# Altium PCB Pi4GPU_v2.PcbDoc (part 2 of 4) (continued)
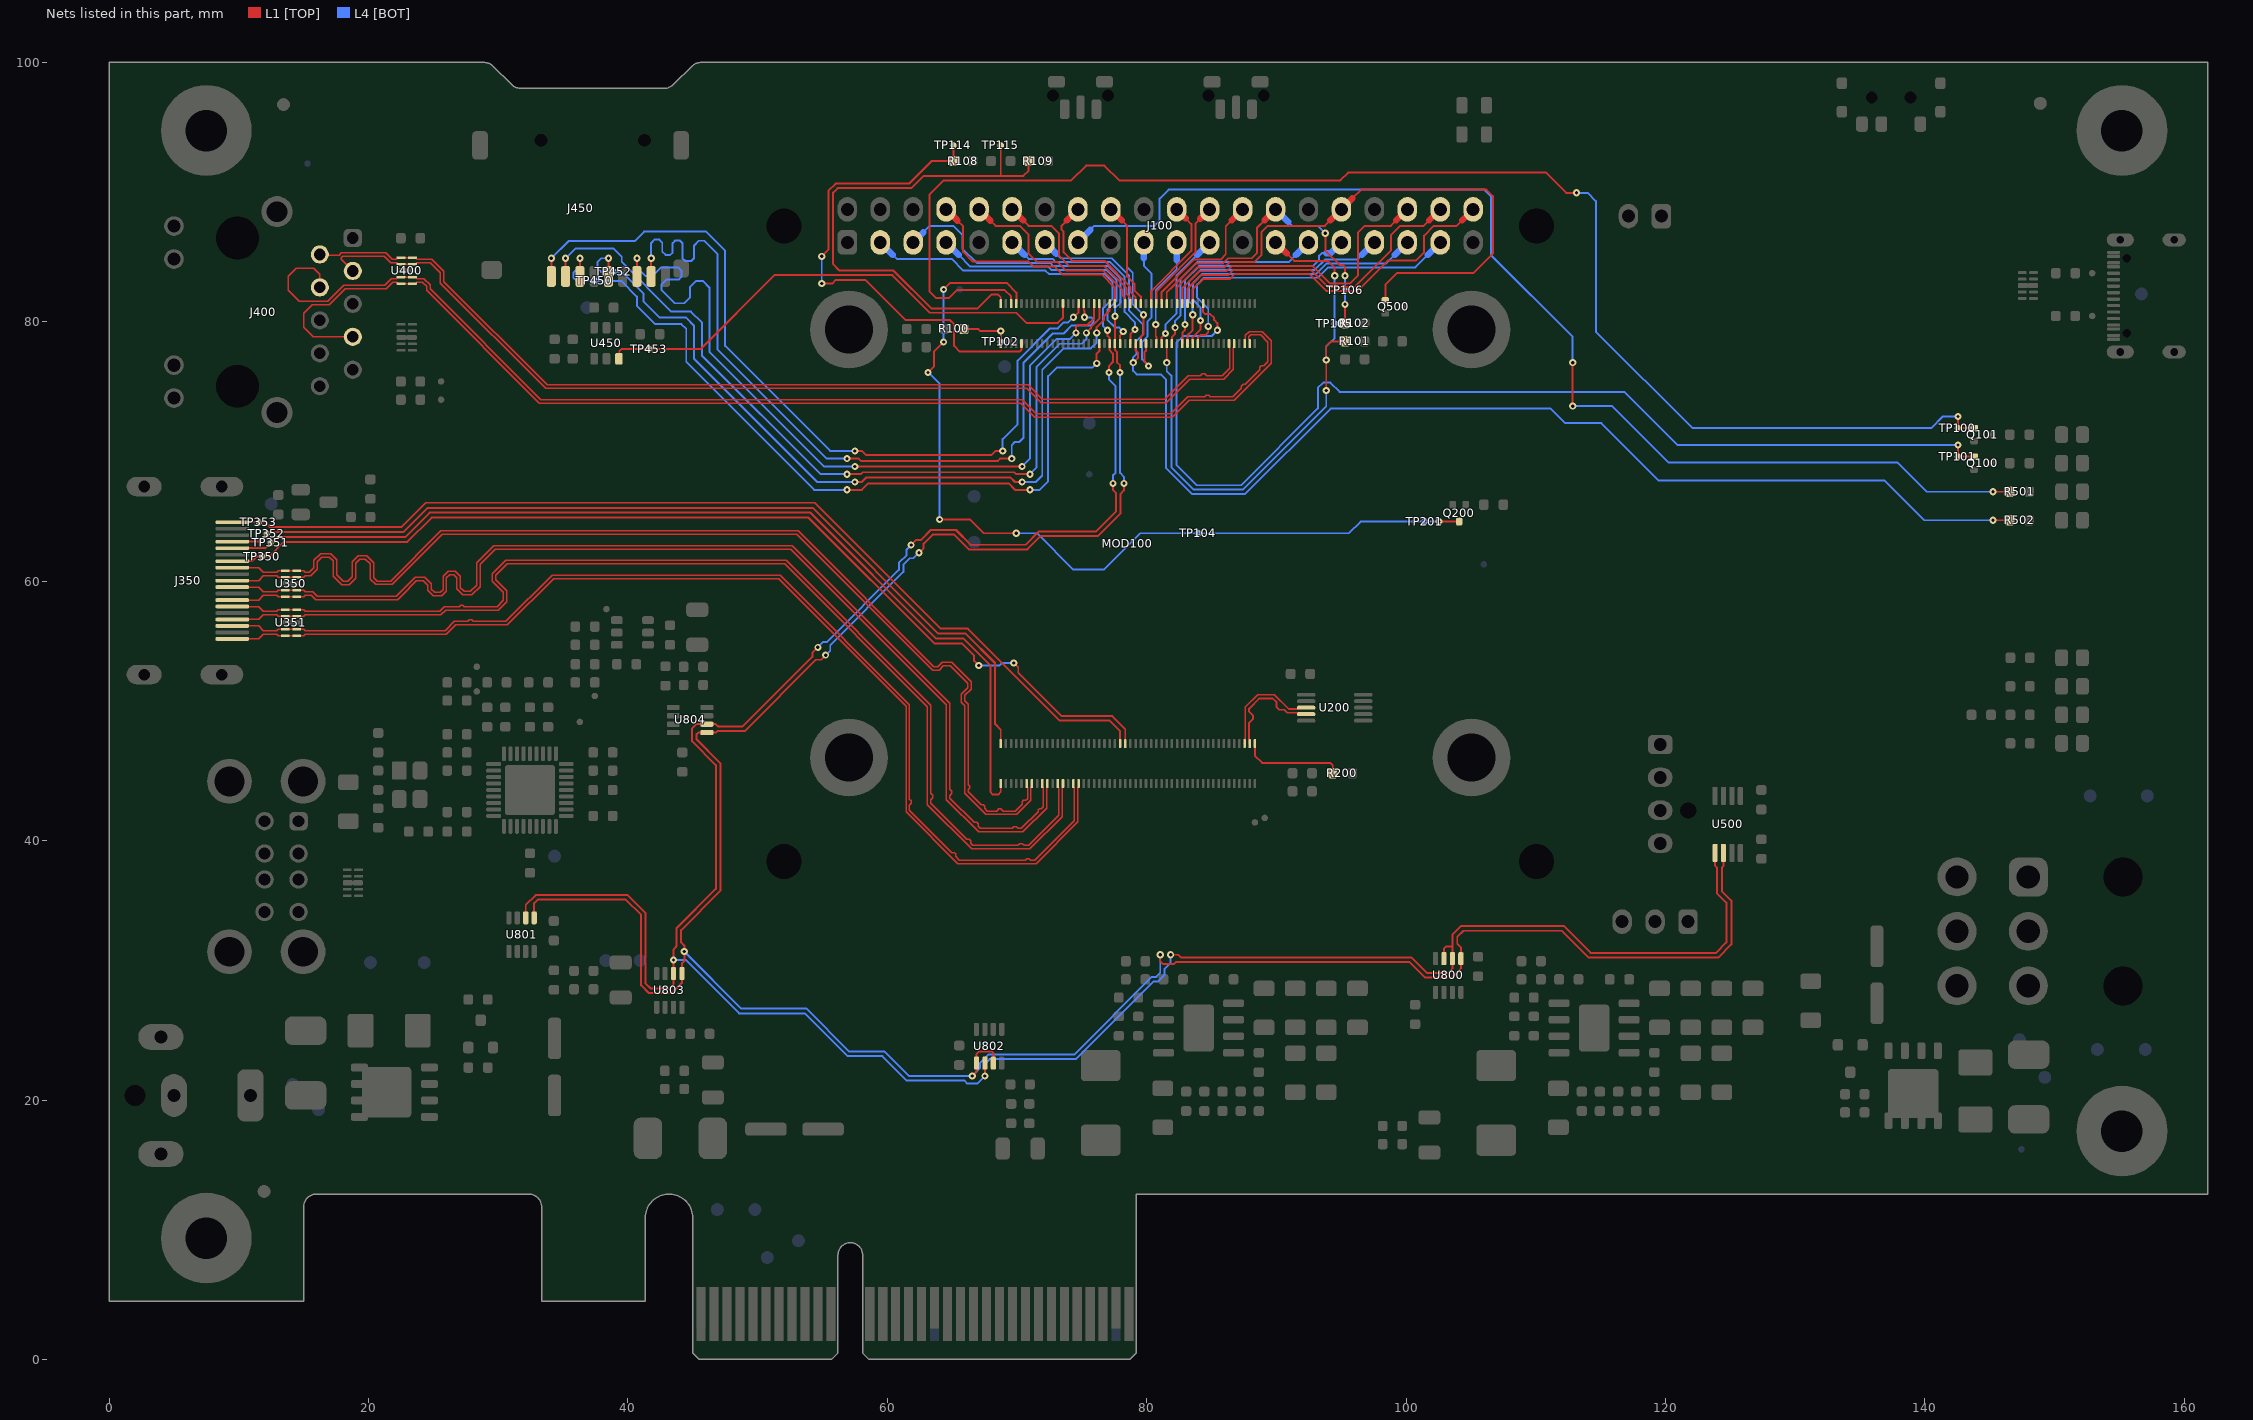
[diagram p4: the nets of this part, all layers, seen from the top]
## Nets (pads, with @x,y where several pads share a name; then routed paths per layer and width w, separated by ;. In a path a pad name is that pad's centre, name@x,y a point inside that pad or via, vN(x,y) a via of type N, cw(c..) or ccw(c..) an arc to the next point about the centre after c; other vN are vias at no path point)
BOOT_MODE: MOD100.93 Q200.3 TP104.1 TP201.1 | length 68.8
  L1 [TOP] w0.15: v1(63.15,76.1) 63.6,76.55 63.6,77.7 v1(64.35,78.45) ; v1(64.041,64.75) 66.4,64.75 67.45,63.7 v1(69.95,63.7) ; v1(64.35,82.5) 64.85,83 69.196,83 69.95,82.246 MOD100.93@69.95,81.4 ; v1(102.55,64.6) Q200.3@104.1,64.6
  L4 [BOT] w0.15: v1(63.15,76.1) 64.041,75.209 v1(64.041,64.75) ; v1(64.35,78.45) v1(64.35,82.5) ; v1(69.95,63.7) 71.55,63.7 74.35,60.9 76.7,60.9 79.5,63.7 TP104.1@83.975,63.7 95.6,63.7 96.5,64.6 TP201.1@101.45,64.6 v1(102.55,64.6)
CM_GBL_EN: MOD100.99 R109.2 TP115.1 | length 39.8
  L1 [TOP] w0.15: MOD100.99@68.75,81.4 68.75,81.9 68.55,82.1 68.032,82.1 66.961,81.03 63.403,81.03 60.475,83.958 56.315,83.958 55.818,84.456 55.818,89.963 56.167,90.312 61.86,90.312 62.798,91.25 68.75,91.25 ; TP115.1@68.75,93.6 68.75,91.25 ; R109.2@70.9,92.4 70.9,91.65 70.5,91.25 68.75,91.25
CM_GPIO2: J100.3 MOD100.58 U500.1 U800.6 U800.7 U801.6 U802.6 U803.6 U804.6 | length 225.3
  L1 [TOP] w0.15: U801.6@32.125,34.05 32.125,35.039 32.886,35.8 39.981,35.8 41.364,34.418 41.364,28.981 41.745,28.6 43.255,28.6 43.525,28.87 U803.6@43.525,29.75 v1(43.525,30.8) 43.525,31.625 43.75,31.85 43.75,33.25 46.783,36.283 46.783,45.817 44.95,47.65 44.95,48.65 45.275,48.975 U804.6@46.1,48.975 46.775,48.975 46.95,48.8 48.857,48.8 54.222,54.165 54.222,54.474 v1(54.649,54.901) ; v1(61.843,62.8) 62.232,63.188 62.607,63.188 63.368,63.95 65.3,63.95 66.439,62.811 70.661,62.811 71.7,63.85 76.105,63.85 77.65,65.395 77.65,66.8 77.402,67.048 v1(77.402,67.548) ; v1(67.525,21.85) U802.6@67.525,22.85 ; v1(76.975,79.35) 76.975,78.939 77.15,78.764 MOD100.58@77.15,78.32 77.15,77.808 77.402,77.556 77.402,76.902 77.1,76.6 v1(77.1,76.1) ; v1(81.85,31.2) 82.45,31.2 82.646,31.004 100.396,31.004 101.6,29.8 103.25,29.8 103.575,30.125 U800.6@103.575,30.9 103.575,31.85 ; U800.7@102.925,30.9 102.925,31.675 103.1,31.85 103.575,31.85 ; U500.1@123.825,39.05 123.825,38.075 123.975,37.925 123.975,35.945 124.706,35.214 124.706,32.156 123.9,31.35 114.23,31.35 112.155,33.425 104.275,33.425 103.575,32.725 103.575,31.85
  L4 [BOT] w0.15: v1(43.525,30.8) 44.448,30.8 48.572,26.677 53.655,26.677 56.952,23.379 59.621,23.379 61.51,21.49 65.96,21.49 66.181,21.269 66.944,21.269 v1(67.525,21.85) 67.525,22.775 67.9,23.15 74.545,23.15 80.517,29.122 80.868,29.122 81.385,29.64 81.385,30.111 81.85,30.575 v1(81.85,31.2) ; v1(54.649,54.901) 55.076,55.328 55.356,55.328 60.9,60.872 60.9,61.429 61.489,62.019 61.489,62.446 v1(61.843,62.8) ; 60.428,85.157 60.735,84.85 64.975,84.85 65.875,83.95 72.2,83.95 72.45,83.7 76.75,83.7 77.38,83.07 77.38,81.78 76.65,81.05 76.65,79.675 v1(76.975,79.35) ; v1(77.1,76.1) 77.1,75.55 77.6,75.05 77.6,68.35 77.402,68.152 v1(77.402,67.548)
  L4 [BOT] w0.5: J100.3@59.46,86.125 60.428,85.157
CM_GPIO3: J100.5 MOD100.56 U500.2 U800.5 U801.5 U802.5 U802.7 U803.5 U804.5 | length 226.3
  L1 [TOP] w0.15: U801.5@32.775,34.05 32.775,35.175 33.05,35.45 39.836,35.45 41.014,34.273 41.014,28.836 41.6,28.25 43.4,28.25 44.175,29.025 U803.5@44.175,29.75 44.175,30.532 44.35,30.707 v1(44.35,31.45) 44.35,31.905 44.104,32.152 44.104,33.104 47.136,36.136 47.136,45.964 45.304,47.796 45.304,48.204 45.425,48.325 U804.5@46.1,48.325 46.775,48.325 46.896,48.446 49.003,48.446 54.503,53.946 54.896,53.946 v1(55.25,54.3) ; v1(62.444,62.199) 62.797,62.552 62.797,62.903 63.495,63.6 65.155,63.6 66.294,62.461 70.806,62.461 71.845,63.5 76.25,63.5 78,65.25 78,66.746 78.252,66.998 v1(78.252,67.548) ; v1(66.55,21.85) 66.875,22.175 U802.5@66.875,22.85 66.875,23.525 67.1,23.75 68.05,23.75 68.175,23.625 U802.7@68.175,22.85 ; v1(77.55,80.425) MOD100.56@77.55,78.32 77.55,77.85 77.711,77.689 77.711,76.889 77.95,76.65 v1(77.95,76.1) ; v1(81.05,31.2) 81.05,30.7 81.25,30.5 82.124,30.5 82.274,30.65 100.256,30.65 101.455,29.451 103.547,29.451 104.225,30.129 U800.5@104.225,30.9 104.225,31.775 103.95,32.05 103.95,32.57 104.43,33.05 112,33.05 114.075,30.975 124.055,30.975 125.081,32.001 125.081,35.369 124.35,36.1 124.35,37.9 124.475,38.025 U500.2@124.475,39.05
  L4 [BOT] w0.15: v1(44.35,31.45) 48.761,27.039 53.785,27.039 57.086,23.738 59.804,23.738 61.697,21.845 65.986,21.845 65.991,21.85 v1(66.55,21.85) 67.15,22.45 67.15,22.85 67.8,23.5 74.4,23.5 80.4,29.5 80.75,29.5 81.05,29.8 v1(81.05,31.2) ; v1(55.25,54.3) 55.604,54.654 55.604,55.081 61.25,60.727 61.25,61.284 61.737,61.771 62.017,61.771 v1(62.444,62.199) ; 62.787,86.912 63.275,87.4 65.1,87.4 65.8,86.7 65.8,85.65 66.9,84.55 72.55,84.55 72.8,84.3 77.024,84.3 77.986,83.338 77.986,81.486 77.55,81.05 v1(77.55,80.425) ; v1(77.95,76.1) 77.95,68.35 78.252,68.048 v1(78.252,67.548)
  L4 [BOT] w0.5: J100.5@62,86.125 62.787,86.912
CM_GPIO4: J100.7 MOD100.54 | length 20.3
  L1 [TOP] w0.15: MOD100.54@77.95,78.32 77.95,78.962 78.2,79.212 v1(78.2,79.25)
  L4 [BOT] w0.15: 65.508,85.157 66.415,84.25 72.4,84.25 72.65,84 76.9,84 77.681,83.219 77.681,81.631 76.975,80.925 76.975,80.175 77.598,79.552 77.898,79.552 v1(78.2,79.25)
  L4 [BOT] w0.5: J100.7@64.54,86.125 65.508,85.157
CM_GPIO5: J100.29 MOD100.34 | length 16.3
  L1 [TOP] w0.15: MOD100.34@81.95,78.32 81.95,78.816 82.2,79.066 v1(82.2,79.55)
  L4 [BOT] w0.15: v1(82.2,79.55) 82.2,80.082 82.6,80.482 82.6,83.3 83.9,84.6 90.955,84.6 91.512,85.157
  L4 [BOT] w0.5: 91.512,85.157 J100.29@92.48,86.125
CM_GPIO6: J100.31 MOD100.30 | length 18.4
  L1 [TOP] w0.15: MOD100.30@82.75,78.32 82.75,79.15 82.95,79.35 v1(82.95,79.8)
  L4 [BOT] w0.15: v1(82.95,79.8) 82.95,83.2 84.05,84.3 92.8,84.3 93.3,84.8 93.3,85.1 93.5,85.3 93.85,85.3
  L4 [BOT] w0.5: 93.85,85.3 94.195,85.3 J100.31@95.02,86.125
CM_GPIO7: J100.26 MOD100.37 | length 11.1
  L1 [TOP] w0.15: MOD100.37@81.15,81.4 81.15,82.3 83.65,84.8 85.7,84.8 86.1,85.2 86.1,87.375 86.552,87.827
  L1 [TOP] w0.5: 86.552,87.827 J100.26@87.4,88.675
CM_GPIO8: J100.24 MOD100.39 | length 9
  L1 [TOP] w0.15: MOD100.39@80.75,81.4 80.75,82.337 81.313,82.9 83.765,85.352 83.765,87.58 84.117,87.932
  L1 [TOP] w0.5: 84.117,87.932 J100.24@84.86,88.675
CM_GPIO9: J100.21 MOD100.40 | length 8.5
  L1 [TOP] w0.15: v1(80.7,79.8) 80.7,78.9 80.75,78.85 MOD100.40@80.75,78.32
  L4 [BOT] w0.15: v1(80.7,79.8) 80.7,82.419 82.32,84.039 82.32,84.757
  L4 [BOT] w0.5: 82.32,84.757 J100.21@82.32,86.125
CM_GPIO10: J100.19 MOD100.44 | length 12.2
  L1 [TOP] w0.15: MOD100.44@79.95,78.32 79.95,77.761 79.83,77.64 79.83,76.92 v1(80.15,76.6)
  L4 [BOT] w0.15: 79.78,84.9 79.78,84.32 80.378,83.722 80.378,80.336 80.076,80.034 80.076,78.876 79.65,78.45 79.65,77.1 v1(80.15,76.6)
  L4 [BOT] w0.5: 79.78,84.9 J100.19@79.78,86.125
CM_GPIO11: J100.23 MOD100.38 | length 9.3
  L1 [TOP] w0.15: MOD100.38@81.15,78.32 81.15,78.805 v1(81.451,79.106)
  L4 [BOT] w0.15: v1(81.451,79.106) 81.451,79.549 81.45,79.55 81.45,79.789 82.3,80.639 82.3,83.565 83.892,85.157
  L4 [BOT] w0.5: 83.892,85.157 J100.23@84.86,86.125
CM_GPIO12: J100.32 MOD100.31 Q500.1 | length 44.9
  L1 [TOP] w0.15: MOD100.31@82.35,81.4 82.35,82.65 83.9,84.2 86,84.2 86.4,84.6 88.3,84.6 88.85,85.15 88.85,86.9 89.35,87.4 93.745,87.4 94.172,87.827 ; 95.868,89.523 96.545,90.2 106.2,90.2 106.7,89.7 106.7,85.25 105.2,83.75 99.3,83.75 98.4,82.85 Q500.1@98.4,81.65
  L1 [TOP] w0.5: 94.172,87.827 J100.32@95.02,88.675 95.868,89.523
CM_GPIO13: J100.33 MOD100.28 | length 20.6
  L1 [TOP] w0.15: MOD100.28@83.15,78.32 83.15,78.95 83.55,79.35 v1(83.55,80.55)
  L4 [BOT] w0.15: v1(83.55,80.55) 83.55,81.3 83.265,81.585 83.265,83.09 84.174,84 92.951,84 93.751,84.8 96.235,84.8 96.592,85.157
  L4 [BOT] w0.5: 96.592,85.157 J100.33@97.56,86.125
CM_GPIO14: J100.8 MOD100.55 | length 35.8
  L1 [TOP] w0.15: 65.85,85.4 65.85,87.365 ; 65.85,85.4 66.6,84.65 ; 65.85,85.4 65.85,87.365 ; 65.85,85.4 66.6,84.65 ; 65.85,87.365 65.407,87.808 65.85,87.365 ; 66.6,84.65 70.9,84.65 ; 66.6,84.65 70.9,84.65 ; 70.9,84.65 71.3,84.25 ; 70.9,84.65 71.3,84.25 ; 71.3,84.25 72.9,84.25 ; 71.3,84.25 72.9,84.25 ; 72.9,84.25 73.5,83.65 ; 72.9,84.25 73.5,83.65 ; 73.5,83.65 76.527,83.65 ; 73.5,83.65 76.527,83.65 ; 76.527,83.65 77.55,82.627 ; 76.527,83.65 77.55,82.627 ; 77.55,82.627 MOD100.55@77.55,81.4 77.55,82.627
  L1 [TOP] w0.5: J100.8@64.54,88.675 65.407,87.808 J100.8@64.54,88.675
CM_GPIO15: J100.10 MOD100.51 | length 15.6
  L1 [TOP] w0.15: 67.953,87.802 68.355,87.4 70.2,87.4 70.9,86.7 70.9,85.25 71.55,84.6 73.15,84.6 73.8,83.95 76.651,83.95 78.15,82.451 78.15,82.021 78.35,81.821 MOD100.51@78.35,81.4
  L1 [TOP] w0.5: J100.10@67.08,88.675 67.953,87.802
CM_GPIO16: J100.36 MOD100.29 | length 24.1
  L1 [TOP] w0.15: MOD100.29@82.75,81.4 82.75,82.574 84.076,83.9 86.151,83.9 86.551,84.3 92.793,84.3 94.123,82.969 95.685,82.969 96.3,83.584 96.3,86.9 96.8,87.4 98.825,87.4 99.252,87.827
  L1 [TOP] w0.5: 99.252,87.827 J100.36@100.1,88.675
CM_GPIO17: J100.11 MOD100.50 | length 15.4
  L1 [TOP] w0.15: MOD100.50@78.75,78.32 78.75,79.05 v1(79.1,79.4)
  L4 [BOT] w0.15: 70.588,85.157 70.895,84.85 72.75,84.85 73,84.6 77.176,84.6 78.301,83.475 78.301,80.763 79.1,79.964 v1(79.1,79.4)
  L4 [BOT] w0.5: J100.11@69.62,86.125 70.588,85.157
CM_GPIO18: J100.12 MOD100.49 | length 13.7
  L1 [TOP] w0.15: 70.473,87.822 70.895,87.4 72.65,87.4 73.247,86.803 73.247,85.103 74.05,84.3 76.726,84.3 78.45,82.576 78.45,82.15 78.75,81.85 MOD100.49@78.75,81.4
  L1 [TOP] w0.5: J100.12@69.62,88.675 70.473,87.822
CM_GPIO19: J100.35 MOD100.26 | length 23
  L1 [TOP] w0.15: MOD100.26@83.55,78.32 83.55,78.8 84.15,79.4 v1(84.15,80.1)
  L4 [BOT] w0.15: v1(84.15,80.1) 84.15,81.124 83.573,81.701 83.573,82.975 84.299,83.7 93.076,83.7 93.876,84.5 98.475,84.5 99.132,85.157
  L4 [BOT] w0.5: 99.132,85.157 J100.35@100.1,86.125
CM_GPIO20: J100.38 MOD100.27 | length 25
  L1 [TOP] w0.15: MOD100.27@83.15,81.4 83.15,82.55 84.2,83.6 86.276,83.6 86.676,84 92.668,84 93.999,82.669 95.998,82.669 98.85,85.522 98.85,86.7 99.55,87.4 101.365,87.4 101.792,87.827
  L1 [TOP] w0.5: 101.792,87.827 J100.38@102.64,88.675
CM_GPIO21: J100.40 MOD100.25 | length 27.1
  L1 [TOP] w0.15: MOD100.25@83.55,81.4 83.55,82.5 84.35,83.3 86.4,83.3 86.8,83.7 92.544,83.7 93.875,82.369 96.226,82.369 98.577,84.72 100.75,84.72 101.4,85.37 101.4,86.65 102.15,87.4 103.905,87.4 104.332,87.827
  L1 [TOP] w0.5: 104.332,87.827 J100.40@105.18,88.675
CM_GPIO22: J100.15 MOD100.46 R501.1 | length 99.7
  L1 [TOP] w0.15: MOD100.46@79.55,78.32 79.55,78.837 79.75,79.037 v1(79.75,80.55) ; v1(112.85,73.5) v1(112.85,76.85) ; v1(145.25,66.9) R501.1@146.55,66.9
  L4 [BOT] w0.15: 75.668,87.093 75.975,87.4 78.5,87.4 ; v1(79.75,80.55) 78.929,81.371 78.929,83.771 78.5,84.2 78.5,87.4 ; v1(112.85,73.5) 115.9,73.5 120.255,69.145 137.905,69.145 140.15,66.9 v1(145.25,66.9) ; v1(112.85,76.85) 112.85,78.85 106.55,85.15 106.55,89.7 106.05,90.2 104.7,90.2 81.7,90.2 81,89.5 81,87.8 80.6,87.4 78.5,87.4
  L4 [BOT] w0.5: J100.15@74.7,86.125 75.668,87.093
CM_GPIO23: J100.16 MOD100.47 | length 11.6
  L1 [TOP] w0.15: 73.837,87.812 73.45,87.425 73.45,87.1 73.6,86.95 73.6,85.35 74.25,84.7 76.75,84.7 78.75,82.7 78.75,82.301 79.15,81.901 MOD100.47@79.15,81.4
  L1 [TOP] w0.5: 73.837,87.812 J100.16@74.7,88.675
CM_GPIO24: J100.18 MOD100.45 | length 8.2
  L1 [TOP] w0.15: 78.088,87.827 78.5,87.415 78.5,83.5 79.05,82.95 79.05,82.438 79.55,81.938 MOD100.45@79.55,81.4
  L1 [TOP] w0.5: J100.18@77.24,88.675 78.088,87.827
CM_GPIO25: J100.22 MOD100.41 | length 9
  L1 [TOP] w0.15: MOD100.41@80.35,81.4 80.35,82.361 83.456,85.467 83.456,87.539 83.023,87.972
  L1 [TOP] w0.5: J100.22@82.32,88.675 83.023,87.972
CM_GPIO26: J100.37 MOD100.24 | length 25.6
  L1 [TOP] w0.15: MOD100.24@83.95,78.32 83.95,78.776 84.149,78.975 84.525,78.975 84.75,79.2 v1(84.75,79.65)
  L4 [BOT] w0.15: v1(84.75,79.65) 84.75,81 83.887,81.863 83.887,82.864 84.423,83.4 93.2,83.4 94,84.2 100.715,84.2 101.672,85.157
  L4 [BOT] w0.5: 101.672,85.157 J100.37@102.64,86.125
CM_GPIO27: J100.13 MOD100.48 R502.1 | length 99.1
  L1 [TOP] w0.15: v1(78.962,76.85) 79.334,77.222 79.334,77.609 79.15,77.793 MOD100.48@79.15,78.32 ; v1(145.25,64.7) R502.1@146.55,64.7
  L4 [BOT] w0.15: 73.018,85.267 73.385,84.9 77.3,84.9 78.623,83.577 78.623,80.879 79.7,79.803 79.7,79 79.2,78.5 79.2,77.5 78.962,77.262 78.962,76.218 79.23,75.95 81.1,75.95 81.5,75.55 81.5,68.719 83.486,66.734 87.604,66.734 94.179,73.308 111.143,73.308 112.26,72.191 115.059,72.191 119.495,67.755 136.895,67.755 139.95,64.7 v1(145.25,64.7)
  L4 [BOT] w0.5: J100.13@72.16,86.125 73.018,85.267
CM_HDMI0_CEC: J350.13 MOD100.151 TP350.1 | length 78.7
  L1 [TOP] w0.15: J350.13@9.5,61.55 11.05,61.55 11.4,61.9 12.351,61.9 13.481,63.031 22.994,63.031 24.872,64.91 53.928,64.91 63.637,55.2 65.737,55.2 66.699,54.238 66.699,53.851 v1(67.05,53.5) ; v1(69.75,53.7) 70.1,53.35 70.1,52.95 73.45,49.6 77.35,49.6 78.35,48.6 MOD100.151@78.35,47.48
  L4 [BOT] w0.15: v1(67.05,53.5) 68.65,53.5 68.85,53.7 v1(69.75,53.7)
CM_HDMI0_CLK_N: J350.12 MOD100.190 U350.1 U350.10 | length 85.4
  L1 [TOP] w0.102: U350.1@13.588,60.8 U350.10@14.463,60.8 15.018,60.8
  L1 [TOP] w0.112: J350.12@9.5,61.05 11.525,61.05 11.893,60.682 12.915,60.682 13.033,60.8 U350.1@13.588,60.8 ; 15.018,60.8 15.135,60.682 15.432,60.682 15.8,61.05 15.8,61.617 16.306,62.122 17.097,62.122 17.55,61.669 17.55,60.5 18.05,60 18.4,60 18.75,60.35 18.75,61.5 19.214,61.964 19.875,61.964 20.4,61.439 20.4,60.274 20.66,60.014 21.714,60.014 25.573,63.873 53.146,63.873 63.6,53.418 63.894,53.418 64.226,53.75 64.974,53.75 66.464,52.26 66.464,51.69 65.964,51.19 65.964,50.785 66.24,50.51 66.24,44.319 66.365,44.195 66.365,44.065 66.24,43.94 66.24,43.753 67.243,42.75 67.382,42.75 67.499,42.633 67.499,42.494 67.715,42.278 68.45,42.278 68.61,42.438 68.767,42.438 68.926,42.278 69.864,42.278 70.4,42.814 70.4,43 70.5,43.1 70.686,43.1 70.818,43.232 70.818,44.072 70.75,44.14 MOD100.190@70.75,44.4
CM_HDMI0_CLK_P: J350.10 MOD100.188 U350.2 U350.9 | length 85.4
  L1 [TOP] w0.102: U350.2@13.588,60.3 U350.9@14.463,60.3 15.018,60.3
  L1 [TOP] w0.112: J350.10@9.5,60.05 11.525,60.05 11.893,60.418 12.915,60.418 13.033,60.3 U350.2@13.588,60.3 ; 15.018,60.3 15.135,60.418 15.542,60.418 16.064,60.94 16.064,61.507 16.415,61.858 16.987,61.858 17.286,61.56 17.286,60.39 17.94,59.736 18.51,59.736 19.014,60.24 19.014,61.39 19.323,61.699 19.766,61.699 20.136,61.329 20.136,60.164 20.55,59.75 21.824,59.75 25.682,63.608 53.036,63.608 63.49,53.154 64.004,53.154 64.336,53.486 64.844,53.486 66.2,52.129 66.2,51.799 65.7,51.299 65.7,50.676 65.976,50.4 65.976,43.643 67.605,42.014 69.973,42.014 71.082,43.123 71.082,44.072 71.15,44.14 MOD100.188@71.15,44.4
CM_HDMI0_D0_N: J350.9 MOD100.184 U350.4 U350.7 | length 85.4
  L1 [TOP] w0.102: U350.4@13.588,59.3 U350.7@14.463,59.3 15.018,59.3
  L1 [TOP] w0.112: J350.9@9.5,59.55 11.525,59.55 11.893,59.182 12.915,59.182 13.033,59.3 U350.4@13.588,59.3 ; 15.018,59.3 15.135,59.182 15.692,59.182 16.038,58.836 22.137,58.836 23.592,60.292 24.349,60.292 24.85,59.791 24.85,59.4 25.119,59.131 25.531,59.131 25.75,59.35 25.75,60.367 26.147,60.764 26.691,60.764 27.064,60.391 27.064,59.514 27.367,59.212 27.862,59.212 28.35,59.7 28.35,61.43 29.661,62.741 52.677,62.741 64.825,50.593 64.825,43.975 64.987,43.813 64.987,43.637 64.825,43.475 64.825,43.274 66.699,41.4 66.882,41.4 66.999,41.282 66.999,41.099 67.164,40.935 69.635,40.935 69.77,41.07 69.964,41.07 70.1,40.935 70.349,40.935 71.65,42.236 71.65,42.379 71.739,42.468 71.882,42.468 72.018,42.604 72.018,44.072 71.95,44.14 MOD100.184@71.95,44.4
CM_HDMI0_D0_P: J350.7 MOD100.182 U350.5 U350.6 | length 85.4
  L1 [TOP] w0.102: U350.5@13.588,58.8 U350.6@14.463,58.8 15.018,58.8
  L1 [TOP] w0.112: J350.7@9.5,58.55 11.525,58.55 11.893,58.918 12.915,58.918 13.033,58.8 U350.5@13.588,58.8 ; 15.018,58.8 15.135,58.918 15.582,58.918 15.928,58.572 22.247,58.572 22.593,58.918 23.702,60.027 24.24,60.027 24.586,59.681 24.586,59.29 25.009,58.867 25.641,58.867 26.014,59.24 26.014,60.258 26.257,60.5 26.581,60.5 26.8,60.281 26.8,59.405 27.258,58.947 27.971,58.947 28.614,59.59 28.614,61.32 29.771,62.476 52.567,62.476 64.561,50.483 64.561,43.164 67.055,40.67 70.458,40.67 72.282,42.494 72.282,44.072 72.35,44.14 MOD100.182@72.35,44.4
CM_HDMI0_D1_N: J350.6 MOD100.178 U351.1 U351.10 | length 85.4
  L1 [TOP] w0.102: U351.1@13.588,57.8 U351.10@14.463,57.8 15.018,57.8
  L1 [TOP] w0.112: J350.6@9.5,58.05 11.525,58.05 11.893,57.682 12.915,57.682 13.033,57.8 U351.1@13.588,57.8 ; 15.018,57.8 15.135,57.682 25.478,57.682 25.838,58.042 26.992,58.042 27.114,58.163 27.279,58.163 27.4,58.042 29.913,58.042 30.397,58.527 30.397,59.137 29.544,59.99 29.544,60.565 30.58,61.601 52.205,61.601 63.36,50.445 63.36,50.336 63.36,47.717 63.36,43.65 63.503,43.507 63.503,43.303 63.36,43.16 63.36,42.877 66.137,40.1 66.321,40.1 66.444,39.978 66.444,39.794 66.609,39.628 70.078,39.628 70.213,39.763 70.411,39.763 70.546,39.628 70.891,39.628 73.218,41.955 73.218,44.072 73.15,44.14 MOD100.178@73.15,44.4
CM_HDMI0_D1_P: J350.4 MOD100.176 U351.2 U351.9 | length 85.4
  L1 [TOP] w0.102: U351.2@13.588,57.3 15.018,57.3
  L1 [TOP] w0.112: J350.4@9.5,57.05 11.525,57.05 11.893,57.418 12.915,57.418 13.033,57.3 U351.2@13.588,57.3 ; 15.018,57.3 15.135,57.418 25.588,57.418 25.947,57.778 30.022,57.778 30.661,58.417 30.661,59.247 29.809,60.1 29.809,60.455 30.69,61.336 52.095,61.336 63.096,50.336 63.096,47.826 63.096,42.767 66.499,39.364 71.001,39.364 73.482,41.845 73.482,44.072 73.55,44.14 MOD100.176@73.55,44.4
CM_HDMI0_D2_N: J350.3 MOD100.172 U351.4 U351.7 | length 85.4
  L1 [TOP] w0.102: U351.4@13.588,56.3 U351.7@14.463,56.3 15.018,56.3
  L1 [TOP] w0.112: J350.3@9.5,56.55 11.525,56.55 11.893,56.182 12.915,56.182 13.033,56.3 U351.4@13.588,56.3 ; 15.018,56.3 15.135,56.182 25.906,56.182 26.63,56.906 27.65,56.906 27.778,57.034 27.95,57.034 28.078,56.906 30.599,56.906 34.158,60.464 51.734,60.464 61.714,50.484 61.714,43.2 61.854,43.061 61.854,42.873 61.714,42.734 61.714,42.335 64.98,39.07 65.175,39.07 65.275,38.97 65.275,38.775 65.558,38.492 70.631,38.492 70.755,38.616 70.924,38.616 71.048,38.492 71.362,38.492 74.418,41.548 74.418,44.072 74.35,44.14 MOD100.172@74.35,44.4
CM_HDMI0_D2_P: J350.1 MOD100.170 U351.5 U351.6 | length 85.4
  L1 [TOP] w0.102: U351.5@13.588,55.8 U351.6@14.463,55.8 15.018,55.8
  L1 [TOP] w0.112: J350.1@9.5,55.55 11.525,55.55 11.893,55.918 12.915,55.918 13.033,55.8 U351.5@13.588,55.8 ; 15.018,55.8 15.135,55.918 26.016,55.918 26.739,56.641 30.709,56.641 34.267,60.2 51.624,60.2 61.45,50.374 61.45,42.226 65.448,38.227 71.471,38.227 74.682,41.438 74.682,44.072 74.75,44.14 MOD100.170@74.75,44.4
CM_HDMI0_HPD: J350.19 MOD100.153 TP353.1 | length 77.6
  L1 [TOP] w0.15: J350.19@9.5,64.55 TP353.1@11.55,64.55 12,64.55 12.379,64.171 22.521,64.171 24.4,66.05 54.4,66.05 64.11,56.34 66.21,56.34 73.3,49.25 77.15,49.25 77.95,48.45 MOD100.153@77.95,47.48
CM_HDMI0_SCL: J350.15 MOD100.200 TP351.1 | length 75.8
  L1 [TOP] w0.15: J350.15@9.5,62.55 12.05,62.55 12.904,63.404 22.839,63.404 24.718,65.283 54.082,65.283 63.792,55.573 65.892,55.573 67.95,53.515 67.95,43.75 68.15,43.55 68.55,43.55 68.75,43.75 MOD100.200@68.75,44.4
CM_HDMI0_SDA: J350.16 MOD100.199 TP352.1 | length 71.2
  L1 [TOP] w0.15: J350.16@9.5,63.05 11.55,63.05 TP352.1@12.15,63.65 12.245,63.65 12.378,63.783 22.682,63.783 24.561,65.662 54.239,65.662 63.949,55.952 66.049,55.952 68.307,53.694 68.307,48.993 68.75,48.55 MOD100.199@68.75,47.48
CM_ID_SC: J100.28 MOD100.35 R102.1 TP106.1 | length 25.3
  L1 [TOP] w0.15: MOD100.35@81.55,81.4 81.55,82.274 82.033,82.757 83.776,84.5 85.876,84.5 86.276,84.9 88.1,84.9 88.5,85.3 88.5,87.235 89.092,87.827 ; v1(93.775,86.825) 93.775,85.493 94.877,84.391 95.109,84.391 95.3,84.2 v1(95.3,83.55) ; R102.1@95.3,79.9 v1(95.3,81.35)
  L1 [TOP] w0.5: 89.092,87.827 J100.28@89.94,88.675
  L4 [BOT] w0.15: 90.908,87.707 91.215,87.4 93.2,87.4 v1(93.775,86.825) ; v1(95.3,81.35) TP106.1@95.3,82.45 v1(95.3,83.55)
  L4 [BOT] w0.5: J100.28@89.94,88.675 90.908,87.707
CM_ID_SD: J100.27 MOD100.36 R101.1 TP105.1 | length 44
  L1 [TOP] w0.15: v1(81.55,76.85) MOD100.36@81.55,78.32 ; 90.788,85.277 91.365,84.7 93.976,84.7 94.5,84.176 v1(94.5,83.55) ; v1(93.85,74.7) v1(93.85,77.05) 93.85,78.1 94.25,78.5 R101.1@95.3,78.5
  L1 [TOP] w0.5: J100.27@89.94,86.125 90.788,85.277
  L4 [BOT] w0.15: v1(81.55,76.85) 81.55,76.2 81.9,75.85 81.9,68.8 83.642,67.058 87.408,67.058 93.85,73.5 v1(93.85,74.7) ; v1(93.85,77.05) 93.85,78.1 94.5,78.75 v1(94.5,83.55)
CM_nACT: MOD100.21 Q100.1 TP101.1 | length 85
  L1 [TOP] w0.15: MOD100.21@84.35,81.4 84.35,80.75 84.5,80.6 84.9,80.6 85.2,80.3 85.2,80.15 85.45,79.9 v1(85.45,79.35) ; v1(142.55,70.5) TP101.1@142.55,69.6 Q100.1@143.8,69.6
  L4 [BOT] w0.15: v1(85.45,79.35) 85,78.9 82.811,78.9 82.285,78.374 82.285,68.965 83.85,67.4 87.28,67.4 93.207,73.327 93.207,74.902 93.622,75.317 94.164,75.317 94.881,74.6 116.832,74.6 120.932,70.5 v1(142.55,70.5)
CM_nPWR: MOD100.95 Q101.1 TP100.1 | length 112.5
  L1 [TOP] w0.15: MOD100.95@69.55,81.4 69.55,81.958 69.058,82.45 65.37,82.45 64.77,81.85 63.75,81.85 63.25,82.35 63.25,89.796 64.354,90.9 74.186,90.9 75.336,92.05 76.743,92.05 77.893,90.9 94.934,90.9 95.534,91.5 110.8,91.5 112.35,89.95 v1(113.15,89.95) ; v1(142.55,72.7) TP100.1@142.55,71.8 Q101.1@143.8,71.8
  L4 [BOT] w0.15: v1(113.15,89.95) 114.008,89.95 114.644,89.314 114.644,79.252 122.096,71.8 140.5,71.8 141.4,72.7 v1(142.55,72.7)
CM_nRSTEXT: MOD100.100 R100.1 TP102.1 | length 4.7
  L1 [TOP] w0.15: R100.1@65.9,79.45 67,79.45 67.15,79.3 v1(68.75,79.3) MOD100.100@68.75,78.32
  L4 [BOT] w0.15: TP102.1@68.75,78.45 v1(68.75,79.3)
CM_RUN_PG: MOD100.92 R108.2 TP114.1 | length 38.5
  L1 [TOP] w0.15: v1(54.95,82.95) 55.75,82.95 56.039,83.239 58.311,83.239 61.4,80.15 64.8,80.15 65.15,79.8 65.15,78.15 65.6,77.7 70.2,77.7 70.35,77.85 MOD100.92@70.35,78.32 ; v1(54.95,85.05) 55.463,85.563 55.463,90.11 56.011,90.658 61.676,90.658 63.418,92.4 R108.2@65.1,92.4 TP114.1@65.1,93.6
  L4 [BOT] w0.15: v1(54.95,82.95) v1(54.95,85.05)
CM_SD_CLK: J450.5 MOD100.57 TP452.1 | length 62.9
  L1 [TOP] w0.15: J450.5@38.5,83.5 v1(38.5,84.9) ; v1(57.5,67.65) 58.05,67.65 58.4,68 69.5,68 69.85,67.65 v1(70.4,67.65) ; v1(76.15,79.15) 76.15,79.6 76.724,80.174 76.724,80.449 77.15,80.874 MOD100.57@77.15,81.4
  L4 [BOT] w0.15: v1(38.5,84.9) 37.958,84.9 37.65,84.592 37.65,84.148 37.941,83.857 TP452.1@38.902,83.857 39.543,83.857 41.2,82.2 41.2,81.569 41.809,80.96 42.441,80.328 44.485,80.328 45.1,79.713 45.1,77.156 54.606,67.65 v1(57.5,67.65) ; v1(70.4,67.65) 71.45,67.65 71.951,68.151 71.951,76.292 73.609,77.95 75.7,77.95 76.15,78.4 v1(76.15,79.15)
CM_SD_CMD: J450.3 MOD100.62 TP450.1 | length 62.9
  L1 [TOP] w0.15: J450.3@36.3,83.5 v1(36.3,84.9) ; v1(56.9,67.05) 58.05,67.05 58.55,67.55 69.35,67.55 69.85,67.05 v1(71,67.05) ; v1(76.15,76.8) 76.15,77.55 76.35,77.75 MOD100.62@76.35,78.32
  L4 [BOT] w0.15: v1(36.3,84.9) 36.3,84.284 35.806,83.79 35.806,83.387 36.043,83.15 TP450.1@37.45,83.15 39.5,83.15 40.7,81.95 40.7,81.224 42.1,79.824 44.133,79.824 44.5,79.457 44.5,76.907 54.357,67.05 v1(56.9,67.05) ; v1(71,67.05) 71.75,67.05 72.41,67.71 72.41,75.81 73.07,76.47 75.82,76.47 v1(76.15,76.8)
CM_SD_DAT0: J450.7 MOD100.63 | length 62.9
  L1 [TOP] w0.15: J450.7@40.7,83.5 v1(40.7,84.9) ; v1(57.5,68.85) v1(70.4,68.85) ; v1(74.55,79.15) 74.55,79.583 74.722,79.755 75.42,79.755 75.95,80.284 MOD100.63@75.95,81.4
  L4 [BOT] w0.15: v1(40.7,84.9) 40.7,84.186 41.343,83.543 41.934,83.543 42.588,84.197 43.877,84.197 44.133,83.941 44.133,83.473 43.91,83.25 42.958,83.25 42.6,82.892 42.6,82.45 43.618,81.432 44.336,81.432 44.8,81.896 44.8,82.687 45.263,83.15 45.759,83.15 46.3,82.609 46.3,77.653 55.103,68.85 v1(57.5,68.85) ; v1(70.4,68.85) 70.996,69.446 70.996,76.61 73.079,78.692 74.092,78.692 v1(74.55,79.15)
CM_SD_DAT1: J450.8 MOD100.67 | length 62.9
  L1 [TOP] w0.15: J450.8@41.8,83.5 v1(41.8,84.9) ; v1(56.9,69.45) 57.8,69.45 57.972,69.278 68.528,69.278 68.7,69.45 v1(69.6,69.45) ; MOD100.67@75.15,81.4 75.15,80.9 75.2,80.85 v1(75.2,80.35)
  L4 [BOT] w0.15: v1(41.8,84.9) 41.8,86.078 42.053,86.331 42.429,86.331 42.65,86.11 42.65,85.41 42.907,85.154 43.265,85.154 43.45,85.338 43.45,86.067 43.655,86.271 44.018,86.271 44.211,86.078 44.211,84.907 44.427,84.691 44.871,84.691 45.1,84.92 45.1,85.873 45.477,86.25 45.9,86.25 46.9,85.25 46.9,77.901 55.351,69.45 v1(56.9,69.45) ; v1(69.6,69.45) 69.6,70.5 69.85,70.75 70.196,70.75 70.505,71.059 70.505,76.861 72.743,79.099 73.593,79.099 74.226,79.732 75.682,79.732 75.9,79.95 75.9,80.167 75.717,80.35 v1(75.2,80.35)
CM_SD_DAT2: J450.1 MOD100.69 | length 62.9
  L1 [TOP] w0.15: J450.1@34.1,83.5 v1(34.1,84.9) ; v1(57.5,70.05) 58.05,70.05 58.381,69.719 68.019,69.719 68.35,70.05 v1(68.9,70.05) ; v1(74.35,80.35) 74.75,80.75 MOD100.69@74.75,81.4
  L4 [BOT] w0.15: v1(34.1,84.9) 35.424,86.224 40.524,86.224 41.25,86.95 46.03,86.95 47.5,85.48 47.5,78.15 55.6,70.05 v1(57.5,70.05) ; v1(68.9,70.05) 68.9,70.95 70.05,72.1 70.05,77.002 72.548,79.5 73.15,79.5 73.607,79.957 73.957,79.957 v1(74.35,80.35)
CM_SD_DAT3: J450.2 MOD100.61 | length 62.9
  L1 [TOP] w0.15: J450.2@35.2,83.5 v1(35.2,84.9) ; v1(56.9,68.25) 57.964,68.25 58.114,68.4 69.786,68.4 69.936,68.25 v1(71,68.25) ; v1(75.35,79.15) 75.7,79.5 75.7,79.6 76.35,80.25 MOD100.61@76.35,81.4
  L4 [BOT] w0.15: v1(35.2,84.9) 35.95,85.65 38.91,85.65 39.527,85.033 39.527,84.615 43.352,80.791 44.864,80.791 45.7,79.954 45.7,77.404 54.854,68.25 v1(56.9,68.25) ; v1(71,68.25) 71.5,68.75 71.5,76.51 73.298,78.309 75.009,78.309 75.35,78.65 v1(75.35,79.15)
CM_SD_PWR_ON: MOD100.75 TP453.1 U450.3 | length 40
  L1 [TOP] w0.15: U450.3@39.3,77.15 39.337,77.187 39.337,77.737 39.5,77.9 TP453.1@41.65,77.9 45.6,77.9 51.302,83.602 60.391,83.602 63.295,80.698 69.955,80.698 70.726,79.927 73.152,79.927 73.55,80.325 MOD100.75@73.55,81.4
CM_USB_D_N: MOD100.103 U200.4 | length 8.4
  L1 [TOP] w0.141: MOD100.103@87.95,47.48 87.923,47.507 87.923,47.813 87.896,47.84 87.896,49.09 88.208,49.402 88.208,49.639 87.896,49.95 87.896,50.182 88.671,50.957 89.729,50.957 90.018,50.668 90.018,50.281 90.208,50.09 90.595,50.09 90.832,49.854 91.624,49.854 91.727,49.75 U200.4@92.3,49.75
CM_USB_D_P: MOD100.105 U200.3 | length 8.4
  L1 [TOP] w0.141: MOD100.105@87.55,47.48 87.577,47.507 87.577,47.813 87.603,47.84 87.603,50.303 88.55,51.25 89.85,51.25 90.953,50.147 91.624,50.147 91.727,50.25 U200.3@92.3,50.25
CM_USB_OTG: MOD100.101 R200.2 | length 7.8
  L1 [TOP] w0.15: MOD100.101@88.35,47.48 88.35,46.55 88.9,46 94.156,46 94.35,45.806 R200.2@94.35,45.2
ETH_D0_N: J400.3 MOD100.10 U400.2 U400.9 | length 78.6
  L1 [TOP] w0.102: U400.2@22.513,84.45 U400.9@23.387,84.45
  L1 [TOP] w0.112: J400.3@18.79,83.925 17.897,84.818 17.897,84.937 18.027,85.067 21.233,85.067 21.732,84.568 22.165,84.568 22.231,84.502 22.231,84.494 22.275,84.45 U400.2@22.513,84.45 ; U400.9@23.387,84.45 23.625,84.45 23.669,84.494 23.669,84.502 23.735,84.568 24.758,84.568 25.536,83.79 25.536,82.99 33.656,74.87 70.761,74.87 71.856,73.775 81.509,73.775 83.309,75.575 85.932,75.575 86.682,76.325 86.682,77.992 86.75,78.06 MOD100.10@86.75,78.32
ETH_D0_P: J400.2 MOD100.12 U400.1 U400.10 | length 78.6
  L1 [TOP] w0.102: U400.1@22.513,84.95 U400.10@23.387,84.95
  L1 [TOP] w0.112: J400.2@16.25,85.195 16.296,85.149 17.735,85.149 17.917,85.331 21.343,85.331 21.842,84.832 22.165,84.832 22.231,84.898 22.231,84.906 22.275,84.95 U400.1@22.513,84.95 ; U400.10@23.387,84.95 23.625,84.95 23.669,84.906 23.669,84.898 23.735,84.832 24.868,84.832 25.8,83.9 25.8,83.1 33.766,75.134 70.87,75.134 71.965,74.039 81.399,74.039 83.2,75.84 84.14,75.84 84.299,75.999 84.474,75.999 84.633,75.84 85.823,75.84 86.418,76.435 86.418,77.992 86.35,78.06 MOD100.12@86.35,78.32
ETH_D1_N: J400.7 MOD100.6 U400.5 U400.6 | length 91.9
  L1 [TOP] w0.102: U400.5@22.513,82.95 U400.6@23.387,82.95
  L1 [TOP] w0.112: J400.7@18.79,78.845 15.739,78.845 14.993,79.591 14.993,80.647 15.682,81.336 16.986,81.336 18.211,82.561 21.361,82.561 21.868,83.068 22.165,83.068 22.231,83.002 22.231,82.994 22.275,82.95 U400.5@22.513,82.95 ; U400.6@23.387,82.95 23.625,82.95 23.669,82.994 23.669,83.002 23.735,83.068 24.153,83.068 24.486,82.735 24.486,82.436 33.186,73.735 70.29,73.735 71.385,72.64 81.979,72.64 83.287,73.948 86.741,73.948 89.6,76.808 89.6,78.55 88.9,79.25 87.9,79.25 87.618,78.968 87.618,78.648 87.55,78.58 MOD100.6@87.55,78.32
ETH_D1_P: J400.4 MOD100.4 U400.4 U400.7 | length 91.9
  L1 [TOP] w0.102: U400.4@22.513,83.45 U400.7@23.387,83.45
  L1 [TOP] w0.112: J400.4@16.25,82.655 16.25,83.656 15.786,84.12 14.441,84.12 13.825,83.504 13.825,82.422 14.647,81.6 16.876,81.6 18.102,82.826 21.252,82.826 21.758,83.332 22.165,83.332 22.231,83.398 22.231,83.406 22.275,83.45 U400.4@22.513,83.45 ; U400.7@23.387,83.45 23.625,83.45 23.669,83.406 23.669,83.398 23.735,83.332 23.963,83.332 24.262,83.332 24.75,82.845 24.75,82.545 33.296,74 70.4,74 71.495,72.905 81.869,72.905 82.642,73.677 83.178,74.213 84.492,74.213 84.607,74.328 84.789,74.328 84.904,74.213 86.631,74.213 87.311,74.892 87.311,75.05 87.441,75.18 87.598,75.18 88.735,76.317 88.735,76.505 88.84,76.609 89.028,76.609 89.336,76.917 89.336,78.44 88.79,78.986 88.01,78.986 87.882,78.858 87.882,78.648 87.95,78.58 MOD100.4@87.95,78.32